# KiCad board USB_panel.kicad_pcb (continued)
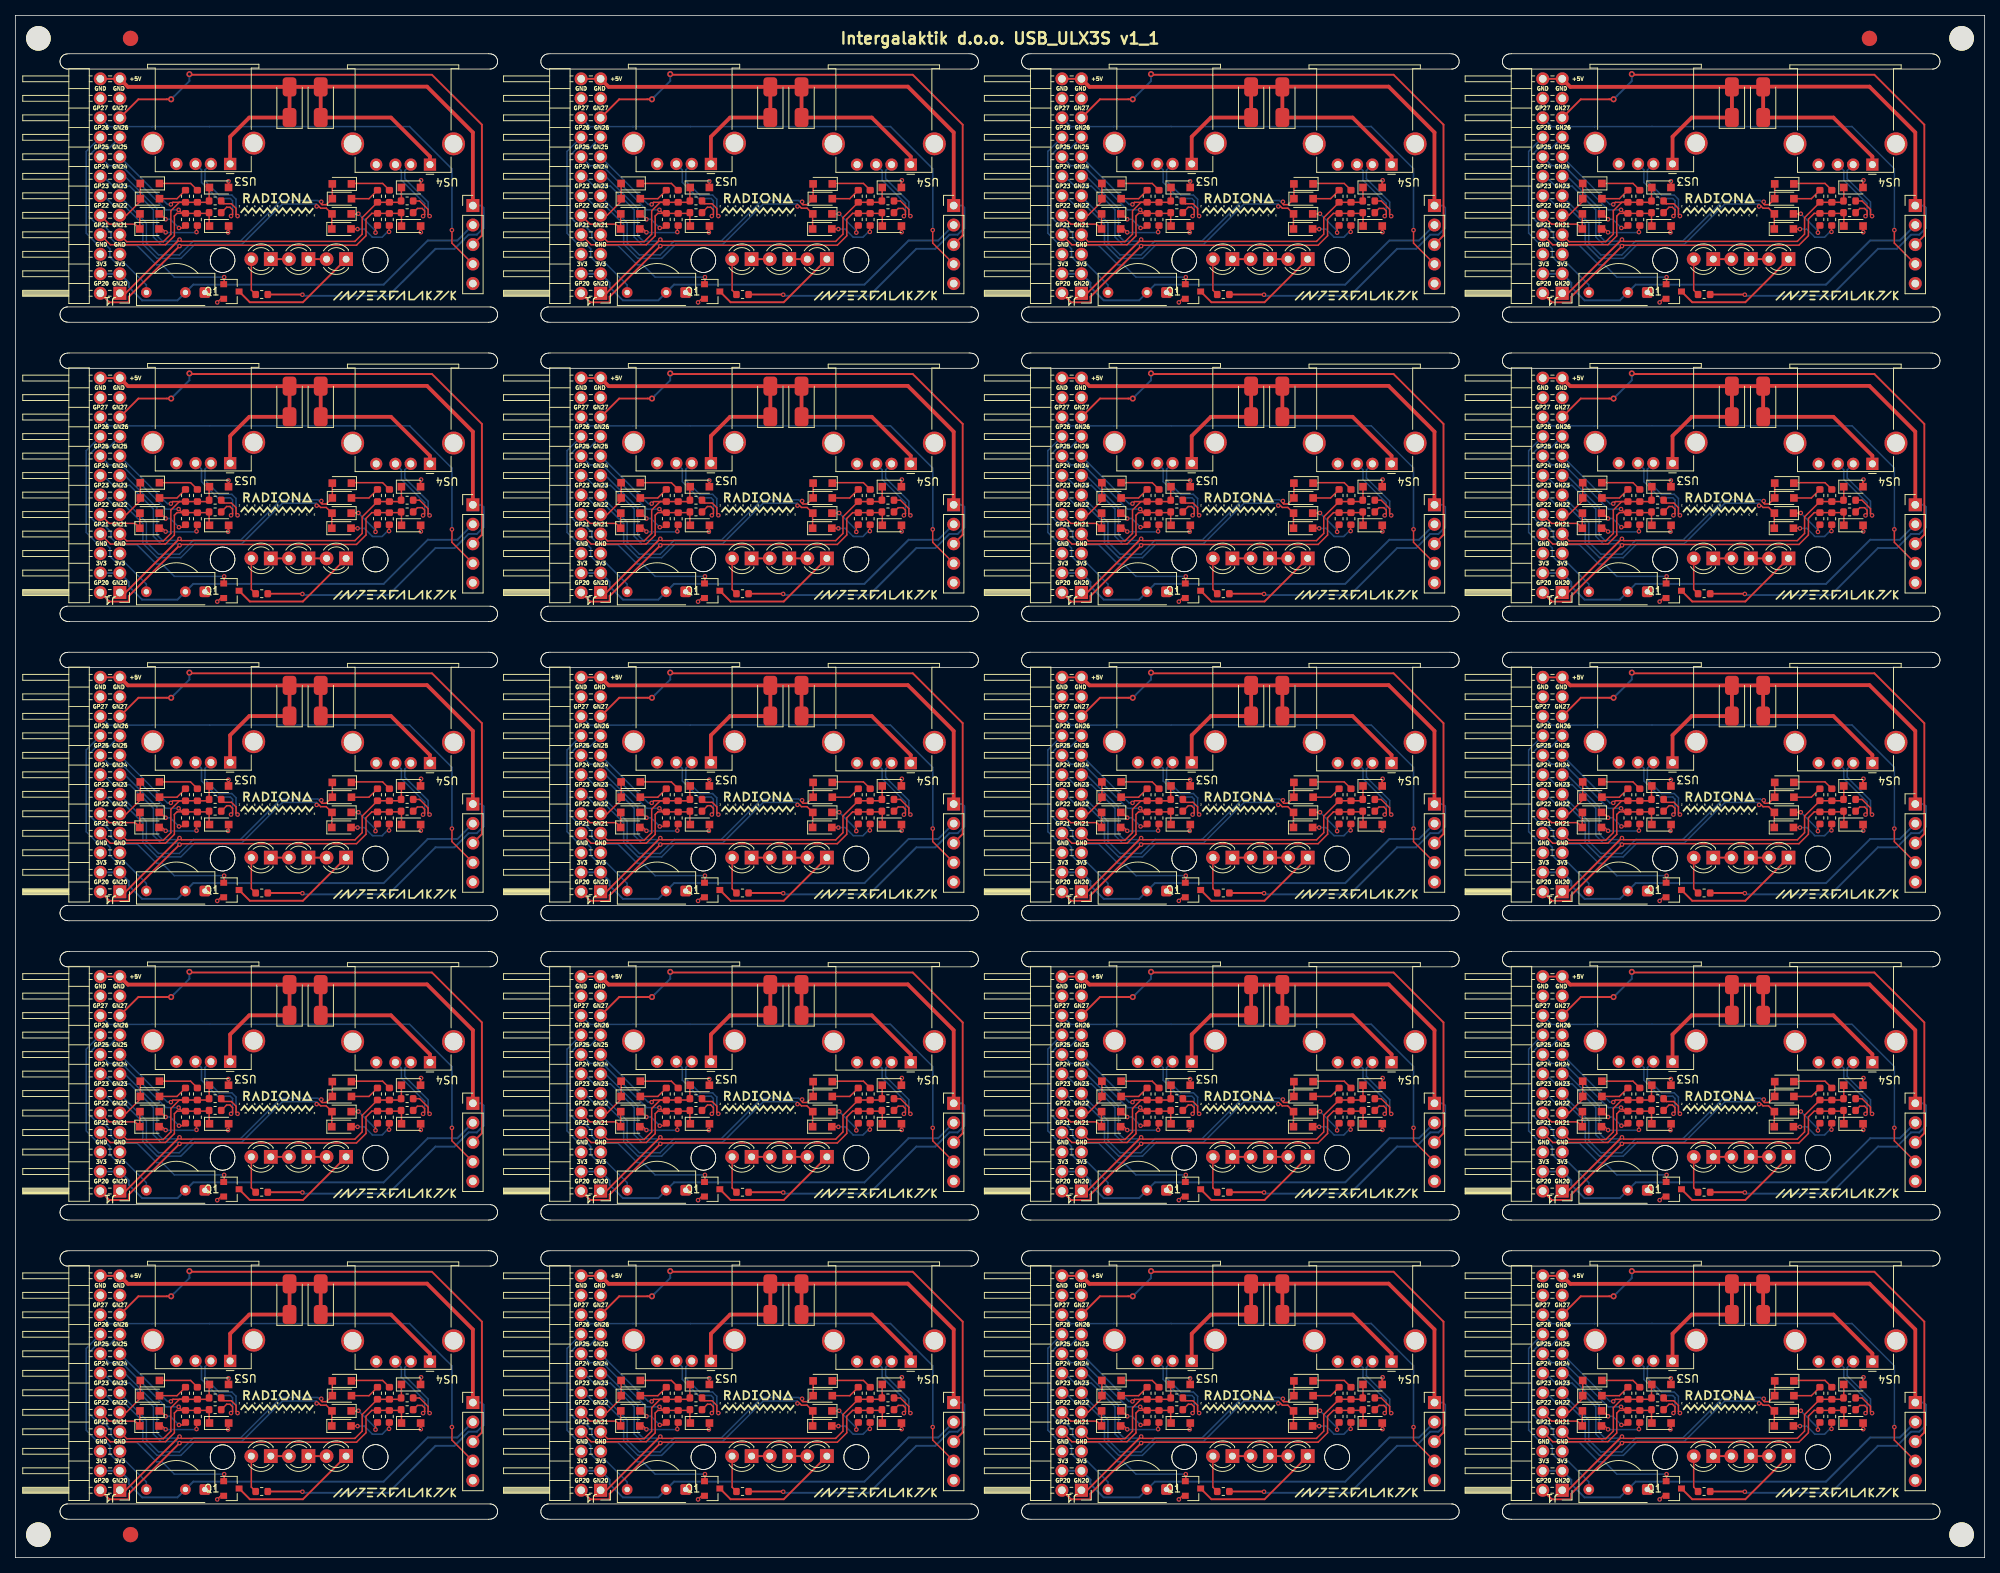
[diagram p0: board, top side]
## Routing (per net, layer and track width the routed paths; a pad name or vN(x,y) marks a point on that pad's centre or on a via; arc(x,y) is an arc through that point) (continued)
Board_11-/FPD1+: length 12.6
  Top w0.2: v1(215.91,96.82) 216.11,97.02 216.11,97.62 215.77,97.96 215.35,97.96 R6#2.2
  Bottom w0.2: v1(215.91,96.82) 216.11,97.02 216.11,98.81 215.83,99.1 214.17,99.1 212.07,101.2 212.07,102.83 US3#19.3
Board_11-/FPD1-: length 13.2
  Top w0.2: R5#13.2 215,98.41 215.96,98.41 216.57,97.81 216.57,97.02 v1(216.77,96.82)
  Bottom w0.2: v1(216.77,96.82) 216.57,97.02 216.57,99 216.01,99.55 214.35,99.55 212.52,101.38 212.52,102.83 US3#19.2
Board_11-/FPD2+: length 11
  Top w0.2: v1(240.92,96.81) 241.12,97.01 241.12,97.49 240.81,97.81 240.19,97.81 R12#11.2
  Bottom w0.2: US4#8.3 238.09,102.74 238.09,101.49 241.12,98.46 241.12,97.01 v1(240.92,96.81)
Board_11-/FPD2-: length 12.4
  Top w0.2: R11#14.2 240.47,98.78 241.58,97.68 241.58,97.01 v1(241.78,96.81) ; 238.62,103.7 239.07,104.15
  Bottom w0.2: v1(241.78,96.81) 241.58,97.01 241.58,98.65 238.55,101.68 238.55,102.74 US4#8.2
Board_11-GN26: length 35.1
  Top w0.2: Q1#15.1 215.02,88 v1(215.02,88.86)
  Bottom w0.2: J1#4.17 200.04,105.68 198.42,105.68 197.46,104.73 197.46,96.72 198.66,95.52 199.4,95.52 200.28,94.64 200.28,93.9 201.2,92.99 203.68,92.99 206.2,90.47 206.92,90.47 208.53,88.86 v1(215.02,88.86)
Board_11-GN27: length 68.9
  Top w0.25: v2(208.12,112.03) 203.85,112.03 J1#4.19 ; J2#11.3 248.58,94.28 248.58,108.72 242.08,115.22 210.58,115.22 v2(210.5,115.3)
  Bottom w0.25: v2(208.12,112.03) 210.5,114.41 v2(210.5,115.3)
Board_11-GND: length 4.8
  Top w0.2: Q1#15.2 214.59,86.04 v1(214.12,85.57) ; D5#14.2 215.61,94.76 v1(215.53,94.69) ; D7#3.2 215.59,101.33 v1(215.58,101.35)
  Top w0.25: v1(240.66,101.48) 240.59,101.41 D14#19.2 ; D12#20.2 240.61,94.74 v1(240.63,94.72)
  Bottom w0.5: 231.5,106.86 231.86,106.86
Board_11-GP26: length 25.5
  Bottom w0.2: J1#4.18 197.06,105.24 197.06,94.58 198.52,93.13 199.56,93.13 200.14,92.55 200.14,91.5 201.06,90.59 202.15,90.59 204.89,87.85 U1#8.3
Board_11-GP27: length 62.1
  Top w0.2: J2#11.4 244.68,93.29 v1(244.68,94.99)
  Bottom w0.2: v1(244.68,94.99) 244.68,102.97 239.17,108.48 205.65,108.48 205.64,108.46 200.04,108.46 J1#4.20
Board_11-Net-(D1-K): length 4.3
  Top w0.2: D1#16.1 206.7,97.1 v1(207.4,96.4) ; v1(209.13,95.27) 209.66,95.27 R1#6.1
  Bottom w0.2: v1(209.13,95.27) 208,96.4 v1(207.4,96.4)
Board_11-Net-(D2-A): length 6
  Top w0.2: D2#4.2 206.96,95.14 v1(207.4,94.7) ; R2#19.1 211.42,95.46 v1(211.42,94.73)
  Bottom w0.2: v1(211.42,94.73) 211.36,94.67 207.43,94.67 v1(207.4,94.7)
Board_11-Net-(D3-K): length 5.3
  Top w0.2: D3#14.1 210.65,101.07 R3#20.2
Board_11-Net-(D4-A): length 3.8
  Top w0.2: R4#20.1 208.88,99.08 D4#11.2
Board_11-Net-(D8-K): length 5.4
  Top w0.2: v1(232.5,97.12) 232.48,97.1 D8#10.1 ; v1(234.73,94.66) 234.73,95.33 R7#7.1
  Bottom w0.2: v1(234.73,94.66) 234.73,94.89 v1(232.5,97.12)
Board_11-Net-(D9-A): length 6.5
  Top w0.2: R8#6.1 236.49,95.54 v1(236.49,94.76) ; D9#16.2 232.37,95.14 v1(232.39,95.12)
  Bottom w0.2: v1(236.49,94.76) 236.29,94.76 235.59,94.06 234.34,94.06 233.28,95.12 v1(232.39,95.12)
Board_11-Net-(D10-K): length 5.3
  Top w0.2: 231.6,101.07 235.66,101.07 R9#7.2
Board_11-Net-(D11-A): length 3.8
  Top w0.2: D11#17.2 233.88,99.08 R10#7.1
Board_11-Net-(D15-A): length 4.8
  Top w0.2: D15#20.2 218.56,87.16 R13#11.2
Board_11-Net-(D15-K): length 2.4
  Top w0.25: D15#20.1 D16#6.2
Board_11-Net-(D16-K): length 2.4
  Top w0.25: D16#6.1 D17#12.2
Board_11-Net-(D17-K): length 16.8
  Top w0.25: D17#12.1 225.28,85.59 218.36,85.59 Q1#15.3
Board_11-USB1_FPGA_D+: length 33.9
  Top w0.2: R1#6.2 209.55,97.16 v1(209.09,97.63) ; R1#6.2 208.88,97.16 208.53,96.82 208.53,94.23 207.38,93.08 200.19,93.08 J1#4.8 ; R1#6.2 212.97,97.16 R6#2.1 213.06,95.56 D5#14.1
  Bottom w0.2: J1#4.16 200.04,103.38 201.67,103.38 207.43,97.63 v1(209.09,97.63)
Board_11-USB1_FPGA_D-: length 29
  Top w0.2: R4#20.2 208.35,98.61 v1(208.08,98.34) ; R4#20.2 211.53,98.61 R3#20.1 212.88,98.61 R5#13.1 213.06,100.51 D7#3.1 ; R4#20.2 209.19,98.61 208.09,97.5 208.09,94.46 207.1,93.48 202.33,93.48 J1#4.7
  Bottom w0.2: v1(208.08,98.34) 207.63,98.34 J1#4.15
Board_11-USB1_FPGA_PULL_D+: length 7.9
  Top w0.2: J1#4.10 200.04,95.76 203.41,95.76 D2#4.1 204.04,97.08 D1#16.2
Board_11-USB1_FPGA_PULL_D-: length 5.8
  Top w0.2: J1#4.9 202.29,96.91 204.1,98.73 D4#11.1 D3#14.2
Board_11-USB2_FPGA_D+: length 64.1
  Top w0.2: v1(209.21,92.9) 209.33,93.02 232.26,93.02 233.49,94.25 233.49,96.41 234.25,97.16 R7#7.2 237.97,97.16 R12#11.1 238.11,97.21 D12#20.1
  Top w0.25: v1(209.21,92.9) 202.61,86.3 202.61,85.58 200.07,85.58 J1#4.2
  Bottom w0.2: J1#4.14 199.34,101.54 199.73,101.54 200.56,100.72 202.72,100.72 205.81,97.63 205.81,94.08 206.79,93.1 209.01,93.1 v1(209.21,92.9)
Board_11-USB2_FPGA_D-: length 58.3
  Top w0.2: D14#19.1 238.09,98.82 R11#14.1 237.89,98.61 R10#7.2 232.99,96.61 232.99,94.46 232.05,93.52 209.44,93.52 v1(209.21,93.75)
  Top w0.25: v1(209.21,93.75) 209.18,93.75 202.18,86.75 J1#4.1
  Bottom w0.2: v1(209.21,93.75) 209.01,93.55 206.97,93.55 206.25,94.27 206.25,97.82 202.08,101.99 J1#4.13
Board_11-USB2_FPGA_PULL_D+: length 40.7
  Top w0.2: v1(227.07,98.08) 227.35,98.08 227.59,97.84 228.32,97.84 D8#10.2 229.04,97.08 D9#16.1
  Bottom w0.2: v1(227.07,98.08) 227.07,98.36 227.04,98.39 222.6,98.39 217.34,93.13 211.2,93.13 209.37,91.3 206.29,91.3 204.44,93.15 204.44,95.73 201.98,98.19 200.6,98.19 199.33,99.45 198.89,99.45
Board_11-USB2_FPGA_PULL_D-: length 38.1
  Top w0.2: 229.1,101.07 D11#17.1 228.32,98.29 227.77,98.29 227.67,98.39 v1(227.67,98.68)
  Bottom w0.2: 201.43,99.45 201.43,99.38 204.88,95.93 204.88,93.34 206.47,91.75 209.19,91.75 211.02,93.58 217.16,93.58 222.42,98.84 227.22,98.84 227.39,98.68 v1(227.67,98.68)
Board_12-+3V3: length 54.3
  Bottom w0.25: J2#13.2 57.56,54.64 53.7,54.64 47.95,48.89 23.17,48.89 U1#9.2 21.11,46.84 16.5,46.84 14.78,48.57 14.78,49.13 J1#2.3 J1#2.4
Board_12-+5V: length 134.7
  Top w0.2: D13#12.2 39.81,74.62
  Top w0.25: v1(37.38,47.58) 37.35,47.61 R13#12.1 ; J1#2.24 J1#2.23
  Top w0.5: US3#16.1 27.97,68.16 30.46,70.66 D6#20.1 D6#20.2 ; D13#12.2 D13#12.1 48.91,70.66 53.99,65.58 US4#14.1 ; D13#12.2 39.8,74.69 53.61,74.69 59.58,68.72 J2#13.1 ; D13#12.2 D6#20.2 ; D6#20.2 14.65,74.66 J1#2.23
  Bottom w0.25: J2#13.1 60.68,59.2 60.97,58.91 60.97,56.27 60.09,55.4 59.02,55.4 58.4,54.78 58.4,54.77 57.19,53.56 54.71,53.56 48.59,47.44 37.52,47.44 v1(37.38,47.58)
Board_12-/FPD1+: length 12.6
  Top w0.2: v1(28.08,57.83) 28.28,58.03 28.28,58.63 27.94,58.98 27.52,58.98 R6#20.2
  Bottom w0.2: US3#16.3 24.24,63.84 24.24,62.21 26.34,60.11 28,60.11 28.28,59.82 28.28,58.03 v1(28.08,57.83)
Board_12-/FPD1-: length 13.2
  Top w0.2: R5#20.2 27.17,59.43 28.13,59.43 28.74,58.82 28.74,58.03 v1(28.93,57.83)
  Bottom w0.2: v1(28.93,57.83) 28.74,58.03 28.74,60.01 28.18,60.56 26.52,60.56 24.69,62.4 24.69,63.84 US3#16.2
Board_12-/FPD2+: length 11
  Top w0.2: v1(53.09,57.82) 53.29,58.02 53.29,58.5 52.98,58.82 52.36,58.82 R12#3.2
  Bottom w0.2: v1(53.09,57.82) 53.29,58.02 53.29,59.47 50.26,62.5 50.26,63.76 US4#14.3
Board_12-/FPD2-: length 12.4
  Top w0.2: R11#2.2 52.64,59.8 53.75,58.69 53.75,58.02 v1(53.95,57.82) ; 50.79,64.72 51.24,65.16
  Bottom w0.2: US4#14.2 50.72,63.76 50.72,62.69 53.75,59.66 53.75,58.02 v1(53.95,57.82)
Board_12-GN26: length 35.1
  Top w0.2: Q1#11.1 27.19,49.01 v1(27.19,49.87)
  Bottom w0.2: J1#2.17 12.21,66.7 10.59,66.7 9.63,65.74 9.63,57.73 10.83,56.54 11.57,56.54 12.45,55.65 12.45,54.91 13.37,54 15.85,54 18.37,51.48 19.09,51.48 20.7,49.87 v1(27.19,49.87)
Board_12-GN27: length 68.9
  Top w0.25: 13.6,70.63 16.02,73.04 v2(20.29,73.04) ; J2#13.3 60.75,55.29 60.75,69.73 54.25,76.23 22.75,76.23 v2(22.67,76.32)
  Bottom w0.25: v2(20.29,73.04) 22.67,75.42 v2(22.67,76.32)
Board_12-GND: length 4.8
  Top w0.2: Q1#11.2 26.76,47.05 v1(26.29,46.58) ; v1(27.75,62.36) 27.76,62.34 D7#15.2 ; D5#18.2 27.78,55.78 v1(27.7,55.7)
  Top w0.25: v1(52.83,62.49) 52.77,62.42 D14#16.2 ; D12#5.2 52.78,55.75 v1(52.8,55.73)
  Bottom w0.5: 43.67,67.88 44.03,67.88
Board_12-GP26: length 25.5
  Bottom w0.2: J1#2.18 9.23,66.25 9.23,55.59 10.69,54.14 11.73,54.14 12.31,53.56 12.31,52.51 13.23,51.6 14.32,51.6 17.06,48.86 U1#9.3
Board_12-GP27: length 62.1
  Top w0.2: J2#13.4 56.85,54.3 v1(56.85,56)
  Bottom w0.2: v1(56.85,56) 56.85,63.98 51.34,69.49 17.82,69.49 17.81,69.48 12.21,69.48 11.06,70.63
Board_12-Net-(D1-K): length 4.3
  Top w0.2: v1(19.57,57.41) 18.87,58.11 D1#14.1 ; R1#14.1 21.83,56.28 v1(21.3,56.28)
  Bottom w0.2: v1(19.57,57.41) 20.17,57.41 v1(21.3,56.28)
Board_12-Net-(D2-A): length 6
  Top w0.2: R2#5.1 23.59,56.48 v1(23.59,55.74) ; v1(19.57,55.71) 19.13,56.15 D2#13.2
  Bottom w0.2: v1(19.57,55.71) 19.6,55.68 23.53,55.68 v1(23.59,55.74)
Board_12-Net-(D3-K): length 5.3
  Top w0.2: R3#8.2 22.82,62.08 D3#19.1
Board_12-Net-(D4-A): length 3.8
  Top w0.2: R4#18.1 21.05,60.09 D4#4.2
Board_12-Net-(D8-K): length 5.4
  Top w0.2: R7#18.1 46.9,56.35 v1(46.9,55.67) ; v1(44.67,58.13) 44.65,58.11 D8#16.1
  Bottom w0.2: v1(44.67,58.13) 46.9,55.9 v1(46.9,55.67)
Board_12-Net-(D9-A): length 6.5
  Top w0.2: v1(44.56,56.13) 44.54,56.15 D9#11.2 ; v1(48.66,55.77) 48.66,56.55 R8#12.1
  Bottom w0.2: v1(48.66,55.77) 48.46,55.77 47.76,55.07 46.51,55.07 45.45,56.13 v1(44.56,56.13)
Board_12-Net-(D10-K): length 5.3
  Top w0.2: 43.77,62.08 47.83,62.08 R9#11.2
Board_12-Net-(D11-A): length 3.8
  Top w0.2: R10#19.1 46.05,60.09 D11#20.2
Board_12-Net-(D15-A): length 4.8
  Top w0.2: R13#12.2 30.73,48.17 D15#3.2
Board_12-Net-(D15-K): length 2.4
  Top w0.25: D15#3.1 D16#14.2
Board_12-Net-(D16-K): length 2.4
  Top w0.25: D16#14.1 D17#7.2
Board_12-Net-(D17-K): length 16.8
  Top w0.25: Q1#11.3 30.53,46.6 37.45,46.6 D17#7.1
Board_12-USB1_FPGA_D+: length 33.9
  Top w0.2: D5#18.1 25.23,56.57 R6#20.1 25.14,58.18 R1#14.2 ; R1#14.2 21.05,58.18 20.71,57.83 20.71,55.24 19.55,54.09 12.36,54.09 J1#2.8 ; R1#14.2 21.72,58.18 v1(21.26,58.64)
  Bottom w0.2: J1#2.16 12.21,64.4 13.84,64.4 19.6,58.64 v1(21.26,58.64)
Board_12-USB1_FPGA_D-: length 29
  Top w0.2: R4#18.2 21.36,59.62 20.25,58.51 20.25,55.47 19.27,54.49 14.5,54.49 J1#2.7 ; R4#18.2 23.7,59.62 R3#8.1 25.05,59.62 R5#20.1 25.23,61.52 D7#15.1 ; R4#18.2 20.52,59.62 v1(20.25,59.35)
  Bottom w0.2: J1#2.15 19.8,59.35 v1(20.25,59.35)
Board_12-USB1_FPGA_PULL_D+: length 7.9
  Top w0.2: D1#14.2 16.21,58.09 D2#13.1 15.58,56.78 12.21,56.78 J1#2.10
Board_12-USB1_FPGA_PULL_D-: length 5.8
  Top w0.2: J1#2.9 14.46,57.93 16.27,59.74 D4#4.1 D3#19.2
Board_12-USB2_FPGA_D+: length 64.1
  Top w0.2: D12#5.1 50.28,58.22 R12#3.1 50.14,58.18 R7#18.2 46.42,58.18 45.66,57.42 45.66,55.26 44.43,54.03 21.5,54.03 v1(21.38,53.91)
  Top w0.25: J1#2.2 12.24,46.59 14.78,46.59 14.78,47.31 v1(21.38,53.91)
  Bottom w0.2: J1#2.14 11.51,62.56 11.9,62.56 12.73,61.73 14.89,61.73 17.97,58.64 17.97,55.09 18.96,54.11 21.18,54.11 v1(21.38,53.91)
Board_12-USB2_FPGA_D-: length 58.3
  Top w0.2: v1(21.38,54.76) 21.61,54.53 44.22,54.53 45.16,55.47 45.16,57.63 R10#19.2 50.06,59.62 R11#2.1 50.27,59.83 D14#16.1
  Top w0.25: v1(21.38,54.76) 21.35,54.76 14.35,47.77 J1#2.1
  Bottom w0.2: J1#2.13 14.25,63.01 18.43,58.83 18.43,55.28 19.14,54.56 21.18,54.56 v1(21.38,54.76)
Board_12-USB2_FPGA_PULL_D+: length 40.7
  Top w0.2: v1(39.24,59.09) 39.52,59.09 39.76,58.85 40.49,58.85 D8#16.2 41.21,58.09 D9#11.1
  Bottom w0.2: v1(39.24,59.09) 39.24,59.37 39.21,59.4 34.77,59.4 29.51,54.14 23.37,54.14 21.54,52.31 18.46,52.31 16.61,54.16 16.61,56.74 14.15,59.2 12.77,59.2 11.5,60.47 11.06,60.47
Board_12-USB2_FPGA_PULL_D-: length 38.1
  Top w0.2: v1(39.84,59.69) 39.84,59.41 39.94,59.3 40.49,59.3 D11#20.1 41.27,62.08
  Bottom w0.2: 13.6,60.47 13.6,60.39 17.06,56.94 17.06,54.35 18.64,52.76 21.36,52.76 23.19,54.59 29.33,54.59 34.59,59.85 39.39,59.85 39.56,59.69 v1(39.84,59.69)
Board_13-+3V3: length 54.3
  Bottom w0.25: J2#9.2 120.18,54.64 116.31,54.64 110.56,48.89 85.78,48.89 U1#15.2 83.73,46.84 79.12,46.84 77.39,48.57 77.39,49.13 J1#6.3 J1#6.4
Board_13-+5V: length 134.7
  Top w0.2: D13#14.2 102.42,74.62
  Top w0.25: R13#19.1 99.96,47.61 v1(99.99,47.58) ; J1#6.24 J1#6.23
  Top w0.5: J1#6.23 77.26,74.66 D6#3.2 ; D6#3.2 D13#14.2 ; D6#3.2 D6#3.1 93.07,70.66 90.58,68.16 US3#2.1 ; D13#14.2 102.41,74.69 116.22,74.69 122.19,68.72 J2#9.1 ; D13#14.2 D13#14.1 111.52,70.66 116.6,65.58 US4#9.1
  Bottom w0.25: J2#9.1 123.29,59.2 123.58,58.91 123.58,56.27 122.7,55.4 121.63,55.4 121.01,54.78 121.01,54.77 119.8,53.56 117.32,53.56 111.2,47.44 100.13,47.44 v1(99.99,47.58)
Board_13-/FPD1+: length 12.6
  Top w0.2: v1(90.7,57.83) 90.89,58.03 90.89,58.63 90.55,58.98 90.13,58.98 R6#15.2
  Bottom w0.2: US3#2.3 86.85,63.84 86.85,62.21 88.95,60.11 90.61,60.11 90.89,59.82 90.89,58.03 v1(90.7,57.83)
Board_13-/FPD1-: length 13.2
  Top w0.2: R5#16.2 89.78,59.43 90.74,59.43 91.35,58.82 91.35,58.03 v1(91.55,57.83)
  Bottom w0.2: v1(91.55,57.83) 91.35,58.03 91.35,60.01 90.79,60.56 89.13,60.56 87.3,62.4 87.3,63.84 US3#2.2
Board_13-/FPD2+: length 11
  Top w0.2: R12#16.2 114.97,58.82 115.59,58.82 115.9,58.5 115.9,58.02 v1(115.71,57.82)
  Bottom w0.2: v1(115.71,57.82) 115.9,58.02 115.9,59.47 112.87,62.5 112.87,63.76 US4#9.3
Board_13-/FPD2-: length 12.4
  Top w0.2: R11#19.2 115.25,59.8 116.36,58.69 116.36,58.02 v1(116.56,57.82) ; 113.4,64.72 113.85,65.16
  Bottom w0.2: US4#9.2 113.33,63.76 113.33,62.69 116.36,59.66 116.36,58.02 v1(116.56,57.82)
Board_13-GN26: length 35.1
  Top w0.2: Q1#10.1 89.8,49.01 v1(89.8,49.87)
  Bottom w0.2: J1#6.17 74.82,66.7 73.2,66.7 72.24,65.74 72.24,57.73 73.44,56.54 74.18,56.54 75.06,55.65 75.06,54.91 75.98,54 78.46,54 80.98,51.48 81.7,51.48 83.31,49.87 v1(89.8,49.87)
Board_13-GN27: length 68.9
  Top w0.25: v2(82.9,73.04) 78.63,73.04 76.21,70.63 ; v2(85.28,76.32) 85.36,76.23 116.86,76.23 123.36,69.73 123.36,55.29 J2#9.3
  Bottom w0.25: v2(85.28,76.32) 85.28,75.42 v2(82.9,73.04)
Board_13-GND: length 4.8
  Top w0.2: D7#20.2 90.38,62.34 v1(90.36,62.36) ; v1(90.31,55.7) 90.39,55.78 D5#6.2 ; Q1#10.2 89.37,47.05 v1(88.9,46.58)
  Top w0.25: D14#5.2 115.38,62.42 v1(115.44,62.49) ; D12#15.2 115.39,55.75 v1(115.41,55.73)
  Bottom w0.5: 106.28,67.88 106.64,67.88
Board_13-GP26: length 25.5
  Bottom w0.2: J1#6.18 71.84,66.25 71.84,55.59 73.3,54.14 74.34,54.14 74.92,53.56 74.92,52.51 75.84,51.6 76.93,51.6 79.67,48.86 U1#15.3
Board_13-GP27: length 62.1
  Top w0.2: v1(119.46,56) 119.46,54.3 J2#9.4
  Bottom w0.2: v1(119.46,56) 119.46,63.98 113.95,69.49 80.43,69.49 80.42,69.48 74.82,69.48 73.67,70.63
Board_13-Net-(D1-K): length 4.3
  Top w0.2: v1(82.18,57.41) 81.48,58.11 D1#19.1 ; v1(83.91,56.28) 84.44,56.28 R1#2.1
  Bottom w0.2: v1(83.91,56.28) 82.78,57.41 v1(82.18,57.41)
Board_13-Net-(D2-A): length 6
  Top w0.2: v1(86.2,55.74) 86.2,56.48 R2#17.1 ; v1(82.18,55.71) 81.74,56.15 D2#6.2
  Bottom w0.2: v1(86.2,55.74) 86.14,55.68 82.21,55.68 v1(82.18,55.71)
Board_13-Net-(D3-K): length 5.3
  Top w0.2: R3#11.2 85.43,62.08 D3#5.1
Board_13-Net-(D4-A): length 3.8
  Top w0.2: D4#20.2 83.66,60.09 R4.1
Board_13-Net-(D8-K): length 5.4
  Top w0.2: v1(107.28,58.13) 107.26,58.11 D8.1 ; v1(109.51,55.67) 109.51,56.35 R7#10.1
  Bottom w0.2: v1(107.28,58.13) 109.51,55.9 v1(109.51,55.67)
Board_13-Net-(D9-A): length 6.5
  Top w0.2: D9#4.2 107.15,56.15 v1(107.17,56.13) ; v1(111.27,55.77) 111.27,56.55 R8#17.1
  Bottom w0.2: v1(111.27,55.77) 111.07,55.77 110.37,55.07 109.12,55.07 108.06,56.13 v1(107.17,56.13)
Board_13-Net-(D10-K): length 5.3
  Top w0.2: R9#20.2 110.44,62.08 106.38,62.08
Board_13-Net-(D11-A): length 3.8
  Top w0.2: R10#8.1 108.66,60.09 D11#2.2
Board_13-Net-(D15-A): length 4.8
  Top w0.2: R13#19.2 93.34,48.17 D15#19.2
Board_13-Net-(D15-K): length 2.4
  Top w0.25: D15#19.1 D16#17.2
Board_13-Net-(D16-K): length 2.4
  Top w0.25: D16#17.1 D17#2.2
Board_13-Net-(D17-K): length 16.8
  Top w0.25: Q1#10.3 93.14,46.6 100.06,46.6 D17#2.1
Board_13-USB1_FPGA_D+: length 33.9
  Top w0.2: v1(83.87,58.64) 84.33,58.18 R1#2.2 ; R1#2.2 87.75,58.18 R6#15.1 87.84,56.57 D5#6.1 ; R1#2.2 83.66,58.18 83.31,57.83 83.31,55.24 82.16,54.09 74.97,54.09 J1#6.8
  Bottom w0.2: v1(83.87,58.64) 82.21,58.64 76.45,64.4 74.82,64.4 J1#6.16
Board_13-USB1_FPGA_D-: length 29
  Top w0.2: J1#6.7 77.11,54.49 81.88,54.49 82.87,55.47 82.87,58.51 83.97,59.62 R4.2 ; R4.2 86.31,59.62 R3#11.1 87.66,59.62 R5#16.1 87.84,61.52 D7#20.1 ; R4.2 83.13,59.62 v1(82.86,59.35)
  Bottom w0.2: J1#6.15 82.41,59.35 v1(82.86,59.35)
Board_13-USB1_FPGA_PULL_D+: length 7.9
  Top w0.2: J1#6.10 74.82,56.78 78.19,56.78 D2#6.1 78.82,58.09 D1#19.2
Board_13-USB1_FPGA_PULL_D-: length 5.8
  Top w0.2: D3#5.2 D4#20.1 78.88,59.74 77.07,57.93 J1#6.9
Board_13-USB2_FPGA_D+: length 64.1
  Top w0.2: v1(83.99,53.91) 84.11,54.03 107.04,54.03 108.27,55.26 108.27,57.42 109.03,58.18 R7#10.2 112.75,58.18 R12#16.1 112.89,58.22 D12#15.1
  Top w0.25: J1#6.2 74.85,46.59 77.39,46.59 77.39,47.31 v1(83.99,53.91)
  Bottom w0.2: v1(83.99,53.91) 83.79,54.11 81.57,54.11 80.59,55.09 80.59,58.64 77.5,61.73 75.34,61.73 74.51,62.56 74.12,62.56 J1#6.14
Board_13-USB2_FPGA_D-: length 58.3
  Top w0.2: v1(83.99,54.76) 84.22,54.53 106.83,54.53 107.77,55.47 107.77,57.63 R10#8.2 112.66,59.62 R11#19.1 112.88,59.83 D14#5.1
  Top w0.25: v1(83.99,54.76) 83.96,54.76 76.96,47.77 J1#6.1
  Bottom w0.2: J1#6.13 76.86,63.01 81.04,58.83 81.04,55.28 81.75,54.56 83.79,54.56 v1(83.99,54.76)
Board_13-USB2_FPGA_PULL_D+: length 40.7
  Top w0.2: v1(101.85,59.09) 102.13,59.09 102.37,58.85 103.1,58.85 D8.2 103.82,58.09 D9#4.1
  Bottom w0.2: 73.67,60.47 74.11,60.47 75.38,59.2 76.76,59.2 79.22,56.74 79.22,54.16 81.07,52.31 84.15,52.31 85.98,54.14 92.12,54.14 97.38,59.4 101.82,59.4 101.85,59.37 v1(101.85,59.09)
Board_13-USB2_FPGA_PULL_D-: length 38.1
  Top w0.2: v1(102.45,59.69) 102.45,59.41 102.55,59.3 103.1,59.3 D11#2.1 103.88,62.08
  Bottom w0.2: 76.21,60.47 76.21,60.39 79.67,56.94 79.67,54.35 81.25,52.76 83.97,52.76 85.8,54.59 91.94,54.59 97.2,59.85 102,59.85 102.17,59.69 v1(102.45,59.69)
Board_14-+3V3: length 54.3
  Bottom w0.25: J1#13.4 J1#13.3 140,49.13 140,48.57 141.72,46.84 146.34,46.84 U1#2.2 148.38,48.89 173.18,48.89 178.93,54.64 182.78,54.64 J2#15.2
Board_14-+5V: length 134.7
  Top w0.2: D13#15.2 165.03,74.62
  Top w0.25: R13#4.1 162.57,47.61 v1(162.6,47.58) ; J1#13.24 J1#13.23
  Top w0.5: D13#15.2 165.02,74.69 178.83,74.69 184.8,68.72 J2#15.1 ; D13#15.2 D13#15.1 174.13,70.66 179.21,65.58 US4.1 ; D13#15.2 D6#14.2 ; US3#3.1 153.19,68.16 155.68,70.66 D6#14.1 D6#14.2 ; D6#14.2 139.87,74.66 J1#13.23
  Bottom w0.25: J2#15.1 185.9,59.2 186.19,58.91 186.19,56.27 185.31,55.4 184.24,55.4 183.62,54.78 183.62,54.77 182.41,53.56 179.93,53.56 173.81,47.44 162.74,47.44 v1(162.6,47.58)
Board_14-/FPD1+: length 12.6
  Top w0.2: v1(153.31,57.83) 153.5,58.03 153.5,58.63 153.16,58.98 152.74,58.98 R6#8.2
  Bottom w0.2: v1(153.31,57.83) 153.5,58.03 153.5,59.82 153.22,60.11 151.56,60.11 149.46,62.21 149.46,63.84 US3#3.3
Board_14-/FPD1-: length 13.2
  Top w0.2: v1(154.16,57.83) 153.96,58.03 153.96,58.82 153.35,59.43 152.39,59.43 R5#18.2
  Bottom w0.2: US3#3.2 149.91,63.84 149.91,62.4 151.74,60.56 153.4,60.56 153.96,60.01 153.96,58.03 v1(154.16,57.83)
Board_14-/FPD2+: length 11
  Top w0.2: R12#13.2 177.58,58.82 178.2,58.82 178.51,58.5 178.51,58.02 v1(178.31,57.82)
  Bottom w0.2: v1(178.31,57.82) 178.51,58.02 178.51,59.47 175.48,62.5 175.48,63.76 US4.3
Board_14-/FPD2-: length 12.4
  Top w0.2: R11#10.2 177.86,59.8 178.97,58.69 178.97,58.02 v1(179.16,57.82) ; 176.01,64.72 176.46,65.16
  Bottom w0.2: v1(179.16,57.82) 178.97,58.02 178.97,59.66 175.94,62.69 175.94,63.76 US4.2
Board_14-GN26: length 35.1
  Top w0.2: v1(152.41,49.87) 152.41,49.01 Q1#14.1
  Bottom w0.2: v1(152.41,49.87) 145.92,49.87 144.31,51.48 143.59,51.48 141.07,54 138.59,54 137.67,54.91 137.67,55.65 136.79,56.54 136.05,56.54 134.85,57.73 134.85,65.74 135.81,66.7 137.43,66.7 J1#13.17
Board_14-GN27: length 68.9
  Top w0.25: v2(147.89,76.32) 147.97,76.23 179.47,76.23 185.97,69.73 185.97,55.29 J2#15.3 ; v2(145.51,73.04) 141.24,73.04 138.82,70.63
  Bottom w0.25: v2(147.89,76.32) 147.89,75.42 v2(145.51,73.04)
Board_14-GND: length 4.8
  Top w0.2: D5#2.2 153,55.78 v1(152.92,55.7) ; v1(151.51,46.58) 151.98,47.05 Q1#14.2 ; v1(152.97,62.36) 152.99,62.34 D7#4.2
  Top w0.25: D14.2 177.99,62.42 v1(178.05,62.49) ; v1(178.02,55.73) 178,55.75 D12#10.2
  Bottom w0.5: 168.89,67.88 169.25,67.88
Board_14-GP26: length 25.5
  Bottom w0.2: U1#2.3 142.28,48.86 139.54,51.6 138.45,51.6 137.53,52.51 137.53,53.56 136.95,54.14 135.91,54.14 134.45,55.59 134.45,66.25 J1#13.18
Board_14-GP27: length 62.1
  Top w0.2: v1(182.07,56) 182.07,54.3 J2#15.4
  Bottom w0.2: 136.28,70.63 137.43,69.48 143.03,69.48 143.04,69.49 176.56,69.49 182.07,63.98 v1(182.07,56)
Board_14-Net-(D1-K): length 4.3
  Top w0.2: v1(146.52,56.28) 147.05,56.28 R1#19.1 ; D1#20.1 144.09,58.11 v1(144.79,57.41)
  Bottom w0.2: v1(144.79,57.41) 145.39,57.41 v1(146.52,56.28)
Board_14-Net-(D2-A): length 6
  Top w0.2: v1(144.79,55.71) 144.35,56.15 D2#9.2 ; v1(148.81,55.74) 148.81,56.48 R2#10.1
  Bottom w0.2: v1(148.81,55.74) 148.75,55.68 144.82,55.68 v1(144.79,55.71)
Board_14-Net-(D3-K): length 5.3
  Top w0.2: R3#5.2 148.04,62.08 D3#15.1
Board_14-Net-(D4-A): length 3.8
  Top w0.2: D4#17.2 146.27,60.09 R4#19.1
Board_14-Net-(D8-K): length 5.4
  Top w0.2: R7#2.1 172.12,56.35 v1(172.12,55.67) ; D8#12.1 169.87,58.11 v1(169.89,58.13)
  Bottom w0.2: v1(169.89,58.13) 172.12,55.9 v1(172.12,55.67)
Board_14-Net-(D9-A): length 6.5
  Top w0.2: R8#4.1 173.88,56.55 v1(173.88,55.77) ; v1(169.78,56.13) 169.76,56.15 D9#19.2
  Bottom w0.2: v1(169.78,56.13) 170.67,56.13 171.73,55.07 172.98,55.07 173.68,55.77 v1(173.88,55.77)
Board_14-Net-(D10-K): length 5.3
  Top w0.2: 168.99,62.08 173.05,62.08 R9.2
Board_14-Net-(D11-A): length 3.8
  Top w0.2: D11#6.2 171.27,60.09 R10#18.1
Board_14-Net-(D15-A): length 4.8
  Top w0.2: D15#12.2 155.95,48.17 R13#4.2
Board_14-Net-(D15-K): length 2.4
  Top w0.25: D15#12.1 D16.2
Board_14-Net-(D16-K): length 2.4
  Top w0.25: D16.1 D17#15.2
Board_14-Net-(D17-K): length 16.8
  Top w0.25: D17#15.1 162.67,46.6 155.75,46.6 Q1#14.3
Board_14-USB1_FPGA_D+: length 33.9
  Top w0.2: J1#13.8 137.58,54.09 144.77,54.09 145.93,55.24 145.93,57.83 146.27,58.18 R1#19.2 ; D5#2.1 150.45,56.57 R6#8.1 150.36,58.18 R1#19.2 ; R1#19.2 146.94,58.18 v1(146.48,58.64)
  Bottom w0.2: v1(146.48,58.64) 144.82,58.64 139.06,64.4 137.43,64.4 J1#13.16
Board_14-USB1_FPGA_D-: length 29
  Top w0.2: R4#19.2 148.92,59.62 R3#5.1 150.27,59.62 R5#18.1 150.45,61.52 D7#4.1 ; R4#19.2 146.58,59.62 145.47,58.51 145.47,55.47 144.49,54.49 139.72,54.49 J1#13.7 ; R4#19.2 145.74,59.62 v1(145.47,59.35)
  Bottom w0.2: v1(145.47,59.35) 145.02,59.35 J1#13.15
Board_14-USB1_FPGA_PULL_D+: length 7.9
  Top w0.2: D1#20.2 141.43,58.09 D2#9.1 140.8,56.78 137.43,56.78 J1#13.10
Board_14-USB1_FPGA_PULL_D-: length 5.8
  Top w0.2: J1#13.9 139.68,57.93 141.49,59.74 D4#17.1 D3#15.2
Board_14-USB2_FPGA_D+: length 64.1
  Top w0.2: D12#10.1 175.5,58.22 R12#13.1 175.36,58.18 R7#2.2 171.64,58.18 170.88,57.42 170.88,55.26 169.65,54.03 146.72,54.03 v1(146.6,53.91)
  Top w0.25: J1#13.2 137.46,46.59 140,46.59 140,47.31 v1(146.6,53.91)
  Bottom w0.2: J1#13.14 136.73,62.56 137.12,62.56 137.95,61.73 140.11,61.73 143.19,58.64 143.19,55.09 144.18,54.11 146.4,54.11 v1(146.6,53.91)
Board_14-USB2_FPGA_D-: length 58.3
  Top w0.2: D14.1 175.49,59.83 R11#10.1 175.28,59.62 R10#18.2 170.38,57.63 170.38,55.47 169.44,54.53 146.83,54.53 v1(146.6,54.76)
  Top w0.25: J1#13.1 139.57,47.77 146.57,54.76 v1(146.6,54.76)
  Bottom w0.2: v1(146.6,54.76) 146.4,54.56 144.36,54.56 143.65,55.28 143.65,58.83 139.47,63.01 J1#13.13
Board_14-USB2_FPGA_PULL_D+: length 40.7
  Top w0.2: D9#19.1 166.43,58.09 D8#12.2 165.71,58.85 164.98,58.85 164.74,59.09 v1(164.46,59.09)
  Bottom w0.2: v1(164.46,59.09) 164.46,59.37 164.43,59.4 159.99,59.4 154.73,54.14 148.59,54.14 146.76,52.31 143.68,52.31 141.83,54.16 141.83,56.74 139.37,59.2 137.99,59.2 136.72,60.47 136.28,60.47
Board_14-USB2_FPGA_PULL_D-: length 38.1
  Top w0.2: 166.49,62.08 D11#6.1 165.71,59.3 165.16,59.3 165.06,59.41 v1(165.06,59.69)
  Bottom w0.2: 138.82,60.47 138.82,60.39 142.28,56.94 142.28,54.35 143.86,52.76 146.58,52.76 148.41,54.59 154.55,54.59 159.81,59.85 164.61,59.85 164.78,59.69 v1(165.06,59.69)
Board_15-+3V3: length 54.3
  Bottom w0.25: J1#19.4 J1#19.3 202.61,49.13 202.61,48.57 204.34,46.84 208.94,46.84 U1#17.2 211,48.89 235.78,48.89 241.53,54.64 245.4,54.64 J2#10.2
Board_15-+5V: length 134.7
  Top w0.2: D13#13.2 227.64,74.62
  Top w0.25: v1(225.21,47.58) 225.18,47.61 R13#16.1 ; J1#19.24 J1#19.23
  Top w0.5: D6#7.2 202.48,74.66 J1#19.23 ; D6#7.2 D6#7.1 218.29,70.66 215.8,68.16 US3#7.1 ; D6#7.2 D13#13.2 ; D13#13.2 D13#13.1 236.74,70.66 241.82,65.58 US4#2.1 ; D13#13.2 227.63,74.69 241.44,74.69 247.41,68.72 J2#10.1
  Bottom w0.25: J2#10.1 248.51,59.2 248.8,58.91 248.8,56.27 247.92,55.4 246.85,55.4 246.23,54.78 246.23,54.77 245.02,53.56 242.54,53.56 236.42,47.44 225.35,47.44 v1(225.21,47.58)
Board_15-/FPD1+: length 12.6
  Top w0.2: v1(215.91,57.83) 216.11,58.03 216.11,58.63 215.77,58.98 215.35,58.98 R6#13.2
  Bottom w0.2: US3#7.3 212.07,63.84 212.07,62.21 214.17,60.11 215.83,60.11 216.11,59.82 216.11,58.03 v1(215.91,57.83)